# EAGLE board working (EAGLE 9.6.2), part 11 of 28
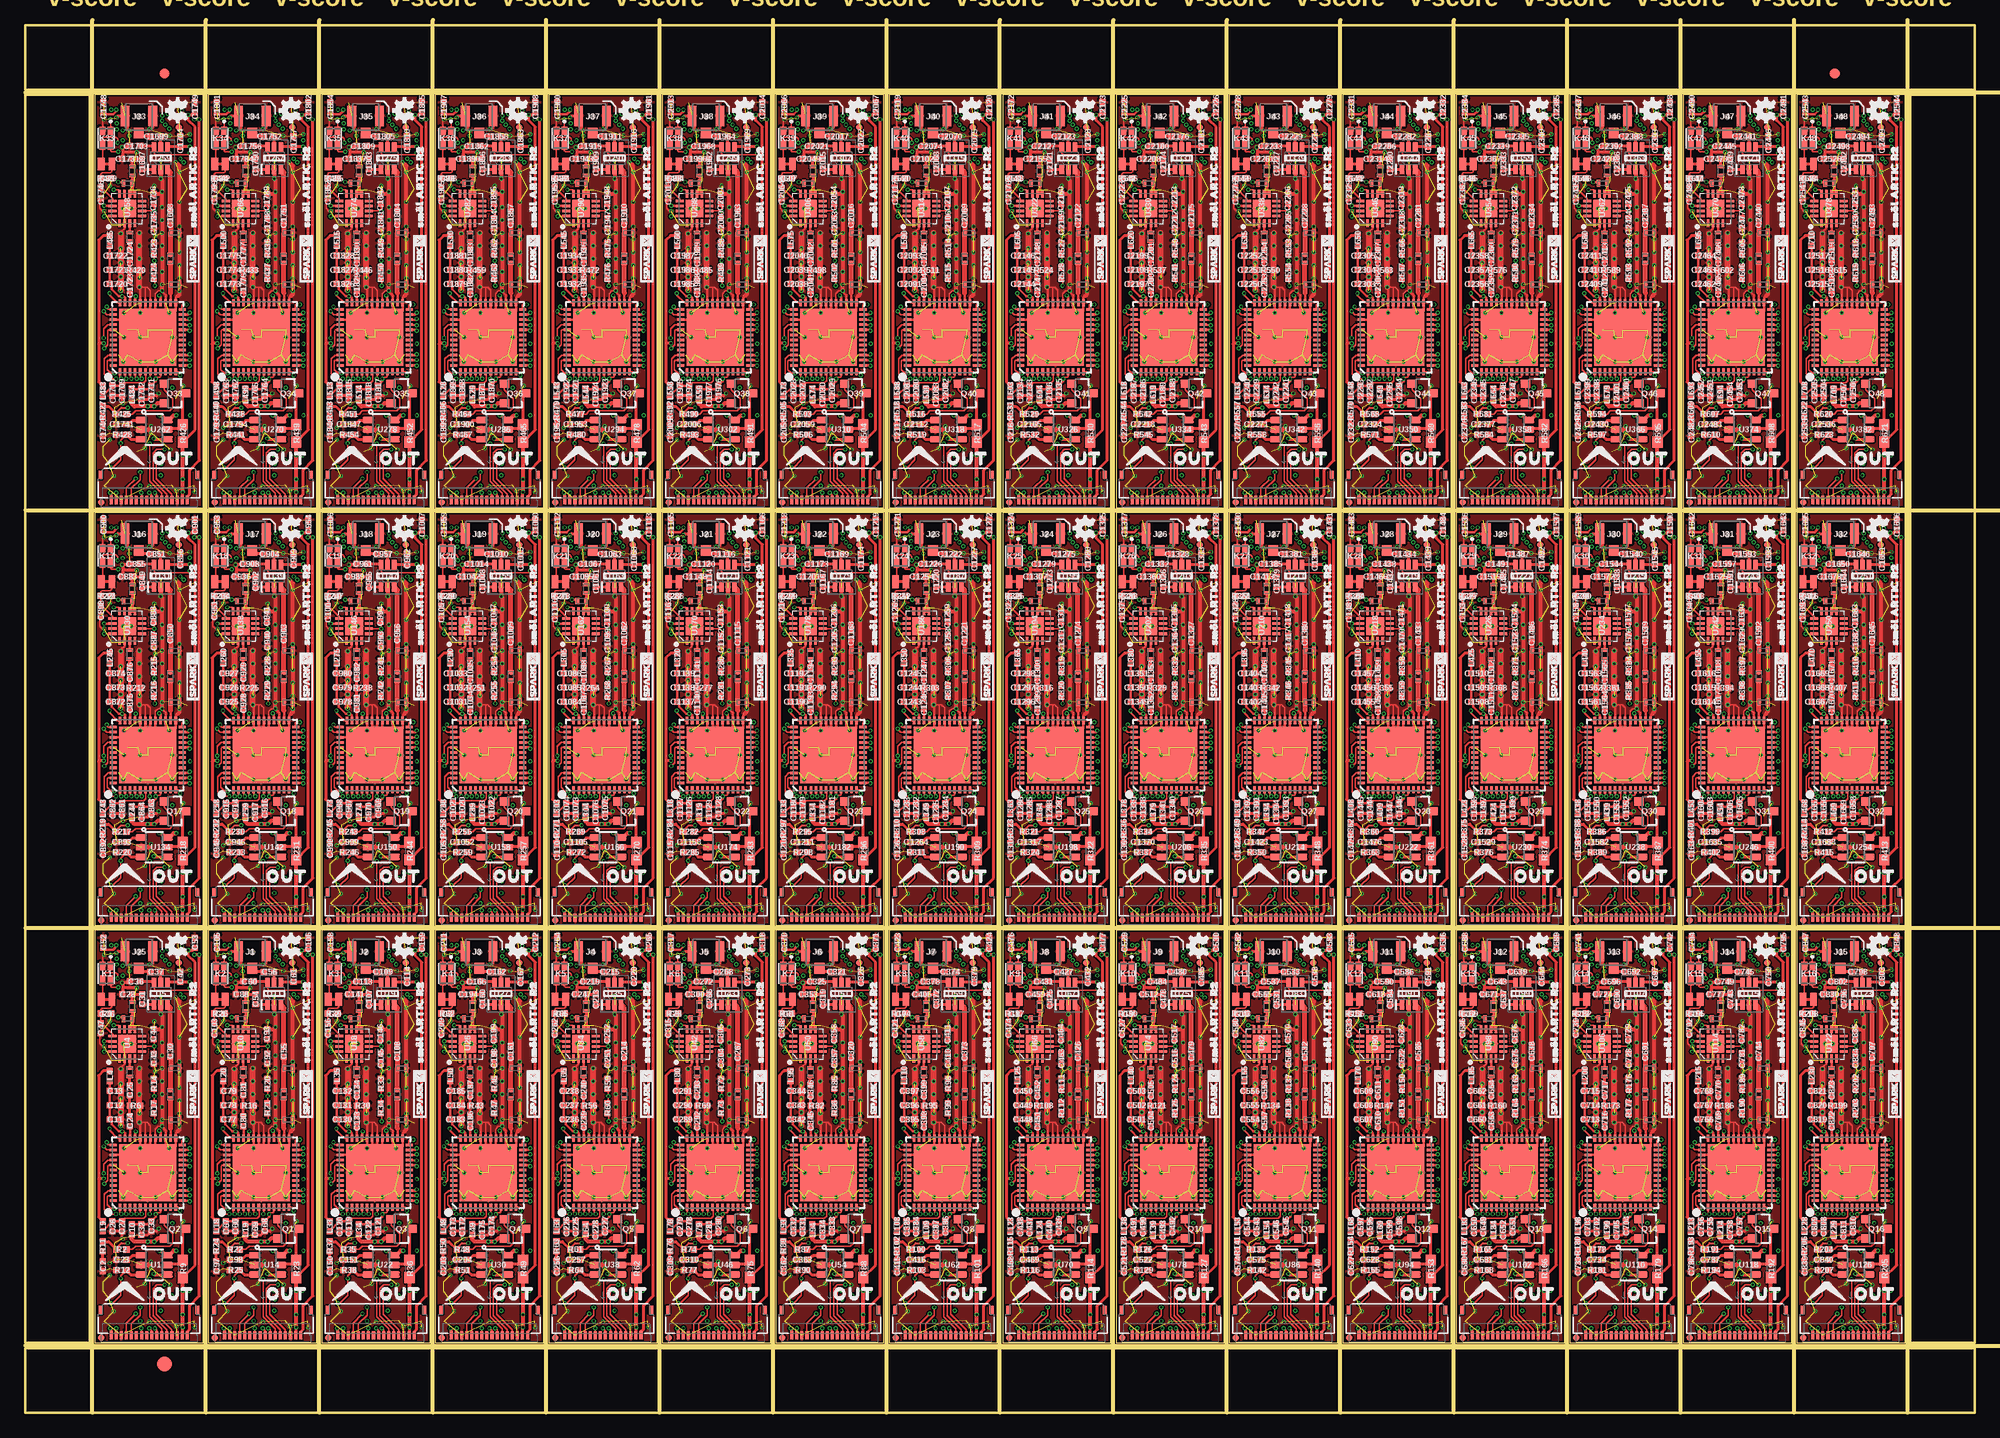
[diagram p0: board, top side]
## Tracks (layer width: path | path; a pad name or v marks a point on that pad's centre or on a via) (continued)
3.3V15  (via drill 0.2) (continued)
  Top 0.406: v182.5,15.94 182.25,15.94 181.8,15.49 U126.6 181.49,15.49 181.04,15.94 v180.85,15.94 | v183.13,8.38 v183.13,9.65 v183.13,12 R205.2
  Route15 0.305: v176.59,8.32 176.59,7.56 176.85,7.3 182.88,7.3 183.13,7.56 v183.13,8.38 | v176.59,46.04 176.59,46.74 176.91,47.05 182.76,47.05 183.07,46.74 v183.07,45.97
  Bottom 0.254: IN15.15 176.59,46.74 v176.59,46.04 | IN15.2
  Bottom 0.305: v183.13,8.38 183.27,8.52 C838.1 183.27,9.52 v183.13,9.65 | v176.59,8.32 176.59,8.38 176.4,8.58 C801.1 | IN15.2 v183.07,45.97 183.07,45.85 183.39,45.53 v183.71,45.53
  Bottom 0.406: v182.5,15.94 181.74,15.94 | 181.74,15.94 v180.85,15.94 | v183.13,12 182.88,12.25 182.88,13.4 181.74,14.54 181.74,15.94
  Bottom 0.61: v182.63,12 v183.13,12
3.3V16  (via drill 0.2)
  Top 0.254: v8.95,87.19 8.95,87.06 8.64,86.74 7.88,86.74 C900.1
  Top 0.305: OUT16.15 8.94,49.45 v8.95,49.47 | v15.43,87.12 15.43,86.99 15.75,86.68 v16.07,86.68 | C901.1 16.44,86.68 v16.07,86.68 | R218.2 16.71,55.68 16.71,85.5 16.07,86.14 v16.07,86.68 | v15.49,49.53 15.44,49.48 OUT16.2
  Top 0.406: v14.86,57.09 14.61,57.09 14.16,56.64 U134.6 13.84,56.64 13.4,57.09 v13.21,57.09 | v15.49,49.53 v15.49,50.8 v15.49,53.15 R218.2
  Route15 0.305: v8.95,49.47 8.95,48.7 9.21,48.45 15.24,48.45 15.49,48.7 v15.49,49.53 | v8.95,87.19 8.95,87.88 9.27,88.2 15.12,88.2 15.43,87.88 v15.43,87.12
  Bottom 0.254: IN16.15 8.95,87.89 v8.95,87.19 | IN16.2
  Bottom 0.305: v15.49,49.53 15.63,49.66 C891.1 15.63,50.66 v15.49,50.8 | v8.95,49.47 8.95,49.53 8.75,49.73 C854.1 | IN16.2 v15.43,87.12 15.43,87 15.75,86.68 v16.07,86.68
  Bottom 0.406: v14.86,57.09 14.1,57.09 | 14.1,57.09 v13.21,57.09 | v15.49,53.15 15.24,53.4 15.24,54.55 14.1,55.69 14.1,57.09
  Bottom 0.61: v14.99,53.15 v15.49,53.15
3.3V17  (via drill 0.2)
  Top 0.254: v20.13,87.19 20.13,87.06 19.81,86.74 19.06,86.74 C953.1
  Top 0.305: OUT17.15 20.12,49.45 v20.13,49.47 | v26.61,87.12 26.61,86.99 26.92,86.68 v27.24,86.68 | C954.1 27.62,86.68 v27.24,86.68 | R231.2 27.89,55.68 27.89,85.5 27.24,86.14 v27.24,86.68 | v26.67,49.53 26.62,49.48 OUT17.2
  Top 0.406: v26.04,57.09 25.78,57.09 25.33,56.64 U142.6 25.02,56.64 24.57,57.09 v24.38,57.09 | v26.67,49.53 v26.67,50.8 v26.67,53.15 R231.2
  Route15 0.305: v20.13,49.47 20.13,48.7 20.38,48.45 26.42,48.45 26.67,48.7 v26.67,49.53 | v20.13,87.19 20.13,87.88 20.45,88.2 26.29,88.2 26.61,87.88 v26.61,87.12
  Bottom 0.254: IN17.15 20.13,87.89 v20.13,87.19 | IN17.2
  Bottom 0.305: v26.67,49.53 26.8,49.66 C944.1 26.8,50.66 v26.67,50.8 | v20.13,49.47 20.13,49.53 19.93,49.73 C907.1 | IN17.2 v26.61,87.12 26.61,87 26.93,86.68 v27.24,86.68
  Bottom 0.406: v26.04,57.09 25.27,57.09 | 25.27,57.09 v24.38,57.09 | v26.67,53.15 26.42,53.4 26.42,54.55 25.27,55.69 25.27,57.09
  Bottom 0.61: v26.16,53.15 v26.67,53.15
3.3V18  (via drill 0.2)
  Top 0.254: v31.31,87.19 31.31,87.06 30.99,86.74 30.23,86.74 C1006.1
  Top 0.305: OUT18.15 31.29,49.45 v31.31,49.47 | v37.79,87.12 37.79,86.99 38.1,86.68 v38.42,86.68 | C1007.1 38.79,86.68 v38.42,86.68 | R244.2 39.06,55.68 39.06,85.5 38.42,86.14 v38.42,86.68 | v37.85,49.53 37.79,49.48 OUT18.2
  Top 0.406: v37.21,57.09 36.96,57.09 36.51,56.64 U150.6 36.2,56.64 35.75,57.09 v35.56,57.09 | v37.85,49.53 v37.85,50.8 v37.85,53.15 R244.2
  Route15 0.305: v31.31,49.47 31.31,48.7 31.56,48.45 37.59,48.45 37.85,48.7 v37.85,49.53 | v31.31,87.19 31.31,87.88 31.62,88.2 37.47,88.2 37.79,87.88 v37.79,87.12
  Bottom 0.254: IN18.15 v31.31,87.19 | IN18.2 37.79,87.89
  Bottom 0.305: v37.85,49.53 37.98,49.66 C997.1 37.98,50.66 v37.85,50.8 | v31.31,49.47 31.31,49.53 31.11,49.73 C960.1 | 37.79,87.89 v37.79,87.12 37.79,87 38.1,86.68 v38.42,86.68
  Bottom 0.406: v37.21,57.09 36.45,57.09 | 36.45,57.09 v35.56,57.09 | v37.85,53.15 37.59,53.4 37.59,54.55 36.45,55.69 36.45,57.09
  Bottom 0.61: v37.34,53.15 v37.85,53.15
3.3V19  (via drill 0.2)
  Top 0.254: v42.48,87.19 42.48,87.06 42.16,86.74 41.41,86.74 C1059.1
  Top 0.305: OUT19.15 42.47,49.45 v42.48,49.47 | v48.96,87.12 48.96,86.99 49.27,86.68 v49.59,86.68 | C1060.1 49.97,86.68 v49.59,86.68 | R257.2 50.24,55.68 50.24,85.5 49.59,86.14 v49.59,86.68 | v49.02,49.53 48.97,49.48 OUT19.2
  Top 0.406: v48.39,57.09 48.13,57.09 47.69,56.64 U158.6 47.37,56.64 46.93,57.09 v46.74,57.09 | v49.02,49.53 v49.02,50.8 v49.02,53.15 R257.2
  Route15 0.305: v42.48,49.47 42.48,48.7 42.73,48.45 48.77,48.45 49.02,48.7 v49.02,49.53 | v42.48,87.19 42.48,87.88 42.8,88.2 48.64,88.2 48.96,87.88 v48.96,87.12
  Bottom 0.254: IN19.15 42.48,87.89 v42.48,87.19 | IN19.2
  Bottom 0.305: v49.02,49.53 49.16,49.66 C1050.1 49.16,50.66 v49.02,50.8 | v42.48,49.47 42.48,49.53 42.28,49.73 C1013.1 | IN19.2 v48.96,87.12 48.96,87 49.28,86.68 v49.59,86.68
  Bottom 0.406: v48.39,57.09 47.62,57.09 | 47.62,57.09 v46.74,57.09 | v49.02,53.15 48.77,53.4 48.77,54.55 47.62,55.69 47.62,57.09
  Bottom 0.61: v48.51,53.15 v49.02,53.15
3.3V20  (via drill 0.2)
  Top 0.254: v53.66,87.19 53.66,87.06 53.34,86.74 52.59,86.74 C1112.1
  Top 0.305: OUT20.15 53.65,49.45 v53.66,49.47 | v60.14,87.12 60.14,86.99 60.45,86.68 v60.77,86.68 | C1113.1 61.14,86.68 v60.77,86.68 | R270.2 61.42,55.68 61.42,85.5 60.77,86.14 v60.77,86.68 | v60.2,49.53 60.15,49.48 OUT20.2
  Top 0.406: v59.56,57.09 59.31,57.09 58.86,56.64 U166.6 58.55,56.64 58.1,57.09 v57.91,57.09 | v60.2,49.53 v60.2,50.8 v60.2,53.15 R270.2
  Route15 0.305: v53.66,49.47 53.66,48.7 53.91,48.45 59.94,48.45 60.2,48.7 v60.2,49.53 | v53.66,87.19 53.66,87.88 53.97,88.2 59.82,88.2 60.14,87.88 v60.14,87.12
  Bottom 0.254: IN20.15 v53.66,87.19 | IN20.2
  Bottom 0.305: v60.2,49.53 60.33,49.66 C1103.1 60.33,50.66 v60.2,50.8 | v53.66,49.47 53.66,49.53 53.46,49.73 C1066.1 | IN20.2 v60.14,87.12 60.14,87 60.45,86.68 v60.77,86.68
  Bottom 0.406: v59.56,57.09 58.8,57.09 | 58.8,57.09 v57.91,57.09 | v60.2,53.15 59.94,53.4 59.94,54.55 58.8,55.69 58.8,57.09
  Bottom 0.61: v59.69,53.15 v60.2,53.15
3.3V21  (via drill 0.2)
  Top 0.254: v64.83,87.19 64.83,87.06 64.52,86.74 63.76,86.74 C1165.1
  Top 0.305: OUT21.15 64.82,49.45 v64.83,49.47 | v71.31,87.12 71.31,86.99 71.63,86.68 v71.95,86.68 | C1166.1 72.32,86.68 v71.95,86.68 | R283.2 72.59,55.68 72.59,85.5 71.95,86.14 v71.95,86.68 | v71.37,49.53 71.32,49.48 OUT21.2
  Top 0.406: v70.74,57.09 70.48,57.09 70.04,56.64 U174.6 69.72,56.64 69.28,57.09 v69.09,57.09 | v71.37,49.53 v71.37,50.8 v71.37,53.15 R283.2
  Route15 0.305: v64.83,49.47 64.83,48.7 65.09,48.45 71.12,48.45 71.37,48.7 v71.37,49.53 | v64.83,87.19 64.83,87.88 65.15,88.2 71,88.2 71.31,87.88 v71.31,87.12
  Bottom 0.254: IN21.15 64.83,87.89 v64.83,87.19 | IN21.2
  Bottom 0.305: v71.37,49.53 71.51,49.66 C1156.1 71.51,50.66 v71.37,50.8 | v64.83,49.47 64.83,49.53 64.64,49.73 C1119.1 | IN21.2 v71.31,87.12 71.31,87 71.63,86.68 v71.95,86.68
  Bottom 0.406: v70.74,57.09 69.98,57.09 | 69.98,57.09 v69.09,57.09 | v71.37,53.15 71.12,53.4 71.12,54.55 69.98,55.69 69.98,57.09
  Bottom 0.61: v70.87,53.15 v71.37,53.15
3.3V22  (via drill 0.2)
  Top 0.254: v76.01,87.19 76.01,87.06 75.69,86.74 74.94,86.74 C1218.1
  Top 0.305: OUT22.15 76,49.45 v76.01,49.47 | v82.49,87.12 82.49,86.99 82.8,86.68 v83.12,86.68 | C1219.1 83.5,86.68 v83.12,86.68 | R296.2 83.77,55.68 83.77,85.5 83.12,86.14 v83.12,86.68 | v82.55,49.53 82.5,49.48 OUT22.2
  Top 0.406: v81.92,57.09 81.66,57.09 81.21,56.64 U182.6 80.9,56.64 80.45,57.09 v80.26,57.09 | v82.55,49.53 v82.55,50.8 v82.55,53.15 R296.2
  Route15 0.305: v76.01,49.47 76.01,48.7 76.26,48.45 82.3,48.45 82.55,48.7 v82.55,49.53 | v76.01,87.19 76.01,87.88 76.33,88.2 82.17,88.2 82.49,87.88 v82.49,87.12
  Bottom 0.254: IN22.15 v76.01,87.19 | IN22.2
  Bottom 0.305: v82.55,49.53 82.69,49.66 C1209.1 82.69,50.66 v82.55,50.8 | v76.01,49.47 76.01,49.53 75.81,49.73 C1172.1 | IN22.2 v82.49,87.12 82.49,87 82.81,86.68 v83.12,86.68
  Bottom 0.406: v81.92,57.09 81.15,57.09 | 81.15,57.09 v80.26,57.09 | v82.55,53.15 82.3,53.4 82.3,54.55 81.15,55.69 81.15,57.09
  Bottom 0.61: v82.04,53.15 v82.55,53.15
3.3V23  (via drill 0.2)
  Top 0.254: v87.19,87.19 87.19,87.06 86.87,86.74 86.11,86.74 C1271.1
  Top 0.305: OUT23.15 87.17,49.45 v87.19,49.47 | v93.67,87.12 93.67,86.99 93.98,86.68 v94.3,86.68 | C1272.1 94.67,86.68 v94.3,86.68 | R309.2 94.95,55.68 94.95,85.5 94.3,86.14 v94.3,86.68 | v93.73,49.53 93.67,49.48 OUT23.2
  Top 0.406: v93.09,57.09 92.84,57.09 92.39,56.64 U190.6 92.08,56.64 91.63,57.09 v91.44,57.09 | v93.73,49.53 v93.73,50.8 v93.73,53.15 R309.2
  Route15 0.305: v87.19,49.47 87.19,48.7 87.44,48.45 93.47,48.45 93.73,48.7 v93.73,49.53 | v87.19,87.19 87.19,87.88 87.5,88.2 93.35,88.2 93.67,87.88 v93.67,87.12
  Bottom 0.254: IN23.15 v87.19,87.19 | IN23.2 93.67,87.89
  Bottom 0.305: v93.73,49.53 93.86,49.66 C1262.1 93.86,50.66 v93.73,50.8 | v87.19,49.47 87.19,49.53 86.99,49.73 C1225.1 | 93.67,87.89 v93.67,87.12 93.67,87 93.98,86.68 v94.3,86.68
  Bottom 0.406: v93.09,57.09 92.33,57.09 | 92.33,57.09 v91.44,57.09 | v93.73,53.15 93.47,53.4 93.47,54.55 92.33,55.69 92.33,57.09
  Bottom 0.61: v93.22,53.15 v93.73,53.15
3.3V24  (via drill 0.2)
  Top 0.254: v98.36,87.19 98.36,87.06 98.04,86.74 97.29,86.74 C1324.1
  Top 0.305: OUT24.15 98.35,49.45 v98.36,49.47 | v104.84,87.12 104.84,86.99 105.15,86.68 v105.47,86.68 | C1325.1 105.85,86.68 v105.47,86.68 | R322.2 106.12,55.68 106.12,85.5 105.47,86.14 v105.47,86.68 | v104.9,49.53 104.85,49.48 OUT24.2
  Top 0.406: v104.27,57.09 104.01,57.09 103.57,56.64 U198.6 103.25,56.64 102.81,57.09 v102.62,57.09 | v104.9,49.53 v104.9,50.8 v104.9,53.15 R322.2
  Route15 0.305: v98.36,49.47 98.36,48.7 98.62,48.45 104.65,48.45 104.9,48.7 v104.9,49.53 | v98.36,87.19 98.36,87.88 98.68,88.2 104.52,88.2 104.84,87.88 v104.84,87.12
  Bottom 0.254: IN24.15 98.36,87.89 v98.36,87.19 | IN24.2
  Bottom 0.305: v104.9,49.53 105.04,49.66 C1315.1 105.04,50.66 v104.9,50.8 | v98.36,49.47 98.36,49.53 98.16,49.73 C1278.1 | IN24.2 v104.84,87.12 104.84,87 105.16,86.68 v105.47,86.68
  Bottom 0.406: v104.27,57.09 103.51,57.09 | 103.51,57.09 v102.62,57.09 | v104.9,53.15 104.65,53.4 104.65,54.55 103.51,55.69 103.51,57.09
  Bottom 0.61: v104.39,53.15 v104.9,53.15
3.3V25  (via drill 0.2)
  Top 0.254: v109.54,87.19 109.54,87.06 109.22,86.74 108.47,86.74 C1377.1
  Top 0.305: OUT25.15 109.53,49.45 v109.54,49.47 | v116.02,87.12 116.02,86.99 116.33,86.68 v116.65,86.68 | C1378.1 117.02,86.68 v116.65,86.68 | R335.2 117.3,55.68 117.3,85.5 116.65,86.14 v116.65,86.68 | v116.08,49.53 116.03,49.48 OUT25.2
  Top 0.406: v115.44,57.09 115.19,57.09 114.74,56.64 U206.6 114.43,56.64 113.98,57.09 v113.79,57.09 | v116.08,49.53 v116.08,50.8 v116.08,53.15 R335.2
  Route15 0.305: v109.54,49.47 109.54,48.7 109.79,48.45 115.82,48.45 116.08,48.7 v116.08,49.53 | v109.54,87.19 109.54,87.88 109.86,88.2 115.7,88.2 116.02,87.88 v116.02,87.12
  Bottom 0.254: IN25.15 v109.54,87.19 | IN25.2
  Bottom 0.305: v116.08,49.53 116.21,49.66 C1368.1 116.21,50.66 v116.08,50.8 | v109.54,49.47 109.54,49.53 109.34,49.73 C1331.1 | IN25.2 v116.02,87.12 116.02,87 116.33,86.68 v116.65,86.68
  Bottom 0.406: v115.44,57.09 114.68,57.09 | 114.68,57.09 v113.79,57.09 | v116.08,53.15 115.82,53.4 115.82,54.55 114.68,55.69 114.68,57.09
  Bottom 0.61: v115.57,53.15 v116.08,53.15
3.3V26  (via drill 0.2)
  Top 0.254: v120.71,87.19 120.71,87.06 120.4,86.74 119.64,86.74 C1430.1
  Top 0.305: OUT26.15 120.7,49.45 v120.71,49.47 | v127.19,87.12 127.19,86.99 127.51,86.68 v127.83,86.68 | C1431.1 128.2,86.68 v127.83,86.68 | R348.2 128.47,55.68 128.47,85.5 127.83,86.14 v127.83,86.68 | v127.25,49.53 127.2,49.48 OUT26.2
  Top 0.406: v126.62,57.09 126.37,57.09 125.92,56.64 U214.6 125.61,56.64 125.16,57.09 v124.97,57.09 | v127.25,49.53 v127.25,50.8 v127.25,53.15 R348.2
  Route15 0.305: v120.71,49.47 120.71,48.7 120.97,48.45 127,48.45 127.25,48.7 v127.25,49.53 | v120.71,87.19 120.71,87.88 121.03,88.2 126.88,88.2 127.19,87.88 v127.19,87.12
  Bottom 0.254: IN26.15 120.71,87.89 v120.71,87.19 | IN26.2
  Bottom 0.305: v127.25,49.53 127.39,49.66 C1421.1 127.39,50.66 v127.25,50.8 | v120.71,49.47 120.71,49.53 120.52,49.73 C1384.1 | IN26.2 v127.19,87.12 127.19,87 127.51,86.68 v127.83,86.68
  Bottom 0.406: v126.62,57.09 125.86,57.09 | 125.86,57.09 v124.97,57.09 | v127.25,53.15 127,53.4 127,54.55 125.86,55.69 125.86,57.09
  Bottom 0.61: v126.75,53.15 v127.25,53.15
3.3V27  (via drill 0.2)
  Top 0.254: v131.89,87.19 131.89,87.06 131.57,86.74 130.82,86.74 C1483.1
  Top 0.305: OUT27.15 131.88,49.45 v131.89,49.47 | v138.37,87.12 138.37,86.99 138.68,86.68 v139,86.68 | C1484.1 139.38,86.68 v139,86.68 | R361.2 139.65,55.68 139.65,85.5 139,86.14 v139,86.68 | v138.43,49.53 138.38,49.48 OUT27.2
  Top 0.406: v137.8,57.09 137.54,57.09 137.09,56.64 U222.6 136.78,56.64 136.33,57.09 v136.14,57.09 | v138.43,49.53 v138.43,50.8 v138.43,53.15 R361.2
  Route15 0.305: v131.89,49.47 131.89,48.7 132.14,48.45 138.18,48.45 138.43,48.7 v138.43,49.53 | v131.89,87.19 131.89,87.88 132.21,88.2 138.05,88.2 138.37,87.88 v138.37,87.12
  Bottom 0.254: IN27.15 131.89,87.89 v131.89,87.19 | IN27.2
  Bottom 0.305: v138.43,49.53 138.56,49.66 C1474.1 138.56,50.66 v138.43,50.8 | v131.89,49.47 131.89,49.53 131.69,49.73 C1437.1 | IN27.2 v138.37,87.12 138.37,87 138.69,86.68 v139,86.68
  Bottom 0.406: v137.8,57.09 137.03,57.09 | 137.03,57.09 v136.14,57.09 | v138.43,53.15 138.18,53.4 138.18,54.55 137.03,55.69 137.03,57.09
  Bottom 0.61: v137.92,53.15 v138.43,53.15
3.3V28  (via drill 0.2)
  Top 0.254: v143.07,87.19 143.07,87.06 142.75,86.74 141.99,86.74 C1536.1
  Top 0.305: OUT28.15 143.05,49.45 v143.07,49.47 | v149.55,87.12 149.55,86.99 149.86,86.68 v150.18,86.68 | C1537.1 150.55,86.68 v150.18,86.68 | R374.2 150.83,55.68 150.83,85.5 150.18,86.14 v150.18,86.68 | v149.61,49.53 149.55,49.48 OUT28.2
  Top 0.406: v148.97,57.09 148.72,57.09 148.27,56.64 U230.6 147.96,56.64 147.51,57.09 v147.32,57.09 | v149.61,49.53 v149.61,50.8 v149.61,53.15 R374.2
  Route15 0.305: v143.07,49.47 143.07,48.7 143.32,48.45 149.35,48.45 149.61,48.7 v149.61,49.53 | v143.07,87.19 143.07,87.88 143.38,88.2 149.23,88.2 149.55,87.88 v149.55,87.12
  Bottom 0.254: IN28.15 v143.07,87.19 | IN28.2 149.55,87.89
  Bottom 0.305: v149.61,49.53 149.74,49.66 C1527.1 149.74,50.66 v149.61,50.8 | v143.07,49.47 143.07,49.53 142.87,49.73 C1490.1 | 149.55,87.89 v149.55,87.12 149.55,87 149.86,86.68 v150.18,86.68
  Bottom 0.406: v148.97,57.09 148.21,57.09 | 148.21,57.09 v147.32,57.09 | v149.61,53.15 149.35,53.4 149.35,54.55 148.21,55.69 148.21,57.09
  Bottom 0.61: v149.1,53.15 v149.61,53.15
3.3V29  (via drill 0.2)
  Top 0.254: v154.24,87.19 154.24,87.06 153.92,86.74 153.17,86.74 C1589.1
  Top 0.305: OUT29.15 154.23,49.45 v154.24,49.47 | v160.72,87.12 160.72,86.99 161.03,86.68 v161.35,86.68 | C1590.1 161.73,86.68 v161.35,86.68 | R387.2 162,55.68 162,85.5 161.35,86.14 v161.35,86.68 | v160.78,49.53 160.73,49.48 OUT29.2
  Top 0.406: v160.15,57.09 159.89,57.09 159.45,56.64 U238.6 159.13,56.64 158.69,57.09 v158.5,57.09 | v160.78,49.53 v160.78,50.8 v160.78,53.15 R387.2
  Route15 0.305: v154.24,49.47 154.24,48.7 154.5,48.45 160.53,48.45 160.78,48.7 v160.78,49.53 | v154.24,87.19 154.24,87.88 154.56,88.2 160.4,88.2 160.72,87.88 v160.72,87.12
  Bottom 0.254: IN29.15 154.24,87.89 v154.24,87.19 | IN29.2
  Bottom 0.305: v160.78,49.53 160.92,49.66 C1580.1 160.92,50.66 v160.78,50.8 | v154.24,49.47 154.24,49.53 154.04,49.73 C1543.1 | IN29.2 v160.72,87.12 160.72,87 161.04,86.68 v161.35,86.68
  Bottom 0.406: v160.15,57.09 159.38,57.09 | 159.38,57.09 v158.5,57.09 | v160.78,53.15 160.53,53.4 160.53,54.55 159.38,55.69 159.38,57.09
  Bottom 0.61: v160.27,53.15 v160.78,53.15
3.3V30  (via drill 0.2)
  Top 0.254: v165.42,87.19 165.42,87.06 165.1,86.74 164.35,86.74 C1642.1
  Top 0.305: OUT30.15 165.41,49.45 v165.42,49.47 | v171.9,87.12 171.9,86.99 172.21,86.68 v172.53,86.68 | C1643.1 172.9,86.68 v172.53,86.68 | R400.2 173.18,55.68 173.18,85.5 172.53,86.14 v172.53,86.68 | v171.96,49.53 171.91,49.48 OUT30.2
  Top 0.406: v171.32,57.09 171.07,57.09 170.62,56.64 U246.6 170.31,56.64 169.86,57.09 v169.67,57.09 | v171.96,49.53 v171.96,50.8 v171.96,53.15 R400.2
  Route15 0.305: v165.42,49.47 165.42,48.7 165.67,48.45 171.7,48.45 171.96,48.7 v171.96,49.53 | v165.42,87.19 165.42,87.88 165.74,88.2 171.58,88.2 171.9,87.88 v171.9,87.12
  Bottom 0.254: IN30.15 v165.42,87.19 | IN30.2
  Bottom 0.305: v171.96,49.53 172.09,49.66 C1633.1 172.09,50.66 v171.96,50.8 | v165.42,49.47 165.42,49.53 165.22,49.73 C1596.1 | IN30.2 v171.9,87.12 171.9,87 172.21,86.68 v172.53,86.68
  Bottom 0.406: v171.32,57.09 170.56,57.09 | 170.56,57.09 v169.67,57.09 | v171.96,53.15 171.7,53.4 171.7,54.55 170.56,55.69 170.56,57.09
  Bottom 0.61: v171.45,53.15 v171.96,53.15
3.3V31  (via drill 0.2)
  Top 0.254: v176.59,87.19 176.59,87.06 176.28,86.74 175.52,86.74 C1695.1
  Top 0.305: OUT31.15 176.58,49.45 v176.59,49.47 | v183.07,87.12 183.07,86.99 183.39,86.68 v183.71,86.68 | C1696.1 184.08,86.68 v183.71,86.68 | R413.2 184.35,55.68 184.35,85.5 183.71,86.14 v183.71,86.68 | v183.13,49.53 183.08,49.48 OUT31.2
  Top 0.406: v182.5,57.09 182.25,57.09 181.8,56.64 U254.6 181.49,56.64 181.04,57.09 v180.85,57.09 | v183.13,49.53 v183.13,50.8 v183.13,53.15 R413.2
  Route15 0.305: v176.59,49.47 176.59,48.7 176.85,48.45 182.88,48.45 183.13,48.7 v183.13,49.53 | v176.59,87.19 176.59,87.88 176.91,88.2 182.76,88.2 183.07,87.88 v183.07,87.12
  Bottom 0.254: IN31.15 176.59,87.89 v176.59,87.19 | IN31.2
  Bottom 0.305: v183.13,49.53 183.27,49.66 C1686.1 183.27,50.66 v183.13,50.8 | v176.59,49.47 176.59,49.53 176.4,49.73 C1649.1 | IN31.2 v183.07,87.12 183.07,87 183.39,86.68 v183.71,86.68
  Bottom 0.406: v182.5,57.09 181.74,57.09 | 181.74,57.09 v180.85,57.09 | v183.13,53.15 182.88,53.4 182.88,54.55 181.74,55.69 181.74,57.09
  Bottom 0.61: v182.63,53.15 v183.13,53.15
3.3V32  (via drill 0.2)
  Top 0.254: v8.95,128.33 8.95,128.21 8.64,127.89 7.88,127.89 C1748.1
  Top 0.305: OUT32.15 8.94,90.6 v8.95,90.62 | v15.43,128.27 15.43,128.14 15.75,127.83 v16.07,127.83 | C1749.1 16.44,127.83 v16.07,127.83 | R426.2 16.71,96.83 16.71,126.64 16.07,127.29 v16.07,127.83 | v15.49,90.68 15.44,90.63 OUT32.2
  Top 0.406: v14.86,98.23 14.61,98.23 14.16,97.79 U262.6 13.84,97.79 13.4,98.23 v13.21,98.23 | v15.49,90.68 v15.49,91.95 v15.49,94.3 R426.2
  Route15 0.305: v8.95,90.62 8.95,89.85 9.21,89.6 15.24,89.6 15.49,89.85 v15.49,90.68 | v8.95,128.33 8.95,129.03 9.27,129.35 15.12,129.35 15.43,129.03 v15.43,128.27
  Bottom 0.254: IN32.15 8.95,129.04 v8.95,128.33 | IN32.2
  Bottom 0.305: v15.49,90.68 15.63,90.81 C1739.1 15.63,91.81 v15.49,91.95 | v8.95,90.62 8.95,90.68 8.75,90.88 C1702.1 | IN32.2 v15.43,128.27 15.43,128.14 15.75,127.83 v16.07,127.83
  Bottom 0.406: v14.86,98.23 14.1,98.23 | 14.1,98.23 v13.21,98.23 | v15.49,94.3 15.24,94.55 15.24,95.7 14.1,96.84 14.1,98.23
  Bottom 0.61: v14.99,94.3 v15.49,94.3
3.3V33  (via drill 0.2)
  Top 0.254: v20.13,128.33 20.13,128.21 19.81,127.89 19.06,127.89 C1801.1
  Top 0.305: OUT33.15 20.12,90.6 v20.13,90.62 | v26.61,128.27 26.61,128.14 26.92,127.83 v27.24,127.83 | C1802.1 27.62,127.83 v27.24,127.83 | R439.2 27.89,96.83 27.89,126.64 27.24,127.29 v27.24,127.83 | v26.67,90.68 26.62,90.63 OUT33.2
  Top 0.406: v26.04,98.23 25.78,98.23 25.33,97.79 U270.6 25.02,97.79 24.57,98.23 v24.38,98.23 | v26.67,90.68 v26.67,91.95 v26.67,94.3 R439.2
  Route15 0.305: v20.13,90.62 20.13,89.85 20.38,89.6 26.42,89.6 26.67,89.85 v26.67,90.68 | v20.13,128.33 20.13,129.03 20.45,129.35 26.29,129.35 26.61,129.03 v26.61,128.27
  Bottom 0.254: IN33.15 20.13,129.04 v20.13,128.33 | IN33.2
  Bottom 0.305: v26.67,90.68 26.8,90.81 C1792.1 26.8,91.81 v26.67,91.95 | v20.13,90.62 20.13,90.68 19.93,90.88 C1755.1 | IN33.2 v26.61,128.27 26.61,128.14 26.93,127.83 v27.24,127.83
  Bottom 0.406: v26.04,98.23 25.27,98.23 | 25.27,98.23 v24.38,98.23 | v26.67,94.3 26.42,94.55 26.42,95.7 25.27,96.84 25.27,98.23
  Bottom 0.61: v26.16,94.3 v26.67,94.3
3.3V34  (via drill 0.2)
  Top 0.254: v31.31,128.33 31.31,128.21 30.99,127.89 30.23,127.89 C1854.1
  Top 0.305: OUT34.15 31.29,90.6 v31.31,90.62 | v37.79,128.27 37.79,128.14 38.1,127.83 v38.42,127.83 | C1855.1 38.79,127.83 v38.42,127.83 | R452.2 39.06,96.83 39.06,126.64 38.42,127.29 v38.42,127.83 | v37.85,90.68 37.79,90.63 OUT34.2
  Top 0.406: v37.21,98.23 36.96,98.23 36.51,97.79 U278.6 36.2,97.79 35.75,98.23 v35.56,98.23 | v37.85,90.68 v37.85,91.95 v37.85,94.3 R452.2
  Route15 0.305: v31.31,90.62 31.31,89.85 31.56,89.6 37.59,89.6 37.85,89.85 v37.85,90.68 | v31.31,128.33 31.31,129.03 31.62,129.35 37.47,129.35 37.79,129.03 v37.79,128.27
  Bottom 0.254: IN34.15 v31.31,128.33 | IN34.2 37.79,129.04
  Bottom 0.305: v37.85,90.68 37.98,90.81 C1845.1 37.98,91.81 v37.85,91.95 | v31.31,90.62 31.31,90.68 31.11,90.88 C1808.1 | 37.79,129.04 v37.79,128.27 37.79,128.14 38.1,127.83 v38.42,127.83
  Bottom 0.406: v37.21,98.23 36.45,98.23 | 36.45,98.23 v35.56,98.23 | v37.85,94.3 37.59,94.55 37.59,95.7 36.45,96.84 36.45,98.23
  Bottom 0.61: v37.34,94.3 v37.85,94.3
3.3V35  (via drill 0.2)
  Top 0.254: v42.48,128.33 42.48,128.21 42.16,127.89 41.41,127.89 C1907.1
  Top 0.305: OUT35.15 42.47,90.6 v42.48,90.62 | v48.96,128.27 48.96,128.14 49.27,127.83 v49.59,127.83 | C1908.1 49.97,127.83 v49.59,127.83 | R465.2 50.24,96.83 50.24,126.64 49.59,127.29 v49.59,127.83 | v49.02,90.68 48.97,90.63 OUT35.2
  Top 0.406: v48.39,98.23 48.13,98.23 47.69,97.79 U286.6 47.37,97.79 46.93,98.23 v46.74,98.23 | v49.02,90.68 v49.02,91.95 v49.02,94.3 R465.2
  Route15 0.305: v42.48,90.62 42.48,89.85 42.73,89.6 48.77,89.6 49.02,89.85 v49.02,90.68 | v42.48,128.33 42.48,129.03 42.8,129.35 48.64,129.35 48.96,129.03 v48.96,128.27
  Bottom 0.254: IN35.15 42.48,129.04 v42.48,128.33 | IN35.2
  Bottom 0.305: v49.02,90.68 49.16,90.81 C1898.1 49.16,91.81 v49.02,91.95 | v42.48,90.62 42.48,90.68 42.28,90.88 C1861.1 | IN35.2 v48.96,128.27 48.96,128.14 49.28,127.83 v49.59,127.83
  Bottom 0.406: v48.39,98.23 47.62,98.23 | 47.62,98.23 v46.74,98.23 | v49.02,94.3 48.77,94.55 48.77,95.7 47.62,96.84 47.62,98.23
  Bottom 0.61: v48.51,94.3 v49.02,94.3
3.3V36  (via drill 0.2)
  Top 0.254: v53.66,128.33 53.66,128.21 53.34,127.89 52.59,127.89 C1960.1
  Top 0.305: OUT36.15 53.65,90.6 v53.66,90.62 | v60.14,128.27 60.14,128.14 60.45,127.83 v60.77,127.83 | C1961.1 61.14,127.83 v60.77,127.83 | R478.2 61.42,96.83 61.42,126.64 60.77,127.29 v60.77,127.83 | v60.2,90.68 60.15,90.63 OUT36.2
  Top 0.406: v59.56,98.23 59.31,98.23 58.86,97.79 U294.6 58.55,97.79 58.1,98.23 v57.91,98.23 | v60.2,90.68 v60.2,91.95 v60.2,94.3 R478.2
  Route15 0.305: v53.66,90.62 53.66,89.85 53.91,89.6 59.94,89.6 60.2,89.85 v60.2,90.68 | v53.66,128.33 53.66,129.03 53.97,129.35 59.82,129.35 60.14,129.03 v60.14,128.27
  Bottom 0.254: IN36.15 v53.66,128.33 | IN36.2
  Bottom 0.305: v60.2,90.68 60.33,90.81 C1951.1 60.33,91.81 v60.2,91.95 | v53.66,90.62 53.66,90.68 53.46,90.88 C1914.1 | IN36.2 v60.14,128.27 60.14,128.14 60.45,127.83 v60.77,127.83
  Bottom 0.406: v59.56,98.23 58.8,98.23 | 58.8,98.23 v57.91,98.23 | v60.2,94.3 59.94,94.55 59.94,95.7 58.8,96.84 58.8,98.23
  Bottom 0.61: v59.69,94.3 v60.2,94.3
3.3V37  (via drill 0.2)
  Top 0.254: v64.83,128.33 64.83,128.21 64.52,127.89 63.76,127.89 C2013.1
  Top 0.305: OUT37.15 64.82,90.6 v64.83,90.62 | v71.31,128.27 71.31,128.14 71.63,127.83 v71.95,127.83 | C2014.1 72.32,127.83 v71.95,127.83 | R491.2 72.59,96.83 72.59,126.64 71.95,127.29 v71.95,127.83 | v71.37,90.68 71.32,90.63 OUT37.2
  Top 0.406: v70.74,98.23 70.48,98.23 70.04,97.79 U302.6 69.72,97.79 69.28,98.23 v69.09,98.23 | v71.37,90.68 v71.37,91.95 v71.37,94.3 R491.2
  Route15 0.305: v64.83,90.62 64.83,89.85 65.09,89.6 71.12,89.6 71.37,89.85 v71.37,90.68 | v64.83,128.33 64.83,129.03 65.15,129.35 71,129.35 71.31,129.03 v71.31,128.27
  Bottom 0.254: IN37.15 64.83,129.04 v64.83,128.33 | IN37.2
  Bottom 0.305: v71.37,90.68 71.51,90.81 C2004.1 71.51,91.81 v71.37,91.95 | v64.83,90.62 64.83,90.68 64.64,90.88 C1967.1 | IN37.2 v71.31,128.27 71.31,128.14 71.63,127.83 v71.95,127.83
  Bottom 0.406: v70.74,98.23 69.98,98.23 | 69.98,98.23 v69.09,98.23 | v71.37,94.3 71.12,94.55 71.12,95.7 69.98,96.84 69.98,98.23
  Bottom 0.61: v70.87,94.3 v71.37,94.3
3.3V38  (via drill 0.2)
  Top 0.254: v76.01,128.33 76.01,128.21 75.69,127.89 74.94,127.89 C2066.1
  Top 0.305: OUT38.15 76,90.6 v76.01,90.62 | v82.49,128.27 82.49,128.14 82.8,127.83 v83.12,127.83 | C2067.1 83.5,127.83 v83.12,127.83 | R504.2 83.77,96.83 83.77,126.64 83.12,127.29 v83.12,127.83 | v82.55,90.68 82.5,90.63 OUT38.2
  Top 0.406: v81.92,98.23 81.66,98.23 81.21,97.79 U310.6 80.9,97.79 80.45,98.23 v80.26,98.23 | v82.55,90.68 v82.55,91.95 v82.55,94.3 R504.2
  Route15 0.305: v76.01,90.62 76.01,89.85 76.26,89.6 82.3,89.6 82.55,89.85 v82.55,90.68 | v76.01,128.33 76.01,129.03 76.33,129.35 82.17,129.35 82.49,129.03 v82.49,128.27
  Bottom 0.254: IN38.15 v76.01,128.33 | IN38.2
  Bottom 0.305: v82.55,90.68 82.69,90.81 C2057.1 82.69,91.81 v82.55,91.95 | v76.01,90.62 76.01,90.68 75.81,90.88 C2020.1 | IN38.2 v82.49,128.27 82.49,128.14 82.81,127.83 v83.12,127.83
  Bottom 0.406: v81.92,98.23 81.15,98.23 | 81.15,98.23 v80.26,98.23 | v82.55,94.3 82.3,94.55 82.3,95.7 81.15,96.84 81.15,98.23